# Altium PCB MotorDriverV0.PcbDoc (part 2 of 2)
Units mm, origin at the board's own origin, x right, y up, seen from the top; angles counter-clockwise.
Board outline 152.4 x 101.6 mm, 2 copper layers (Top Layer, Bottom Layer); 201 components, 149 nets, 714 pads, 255 vias.
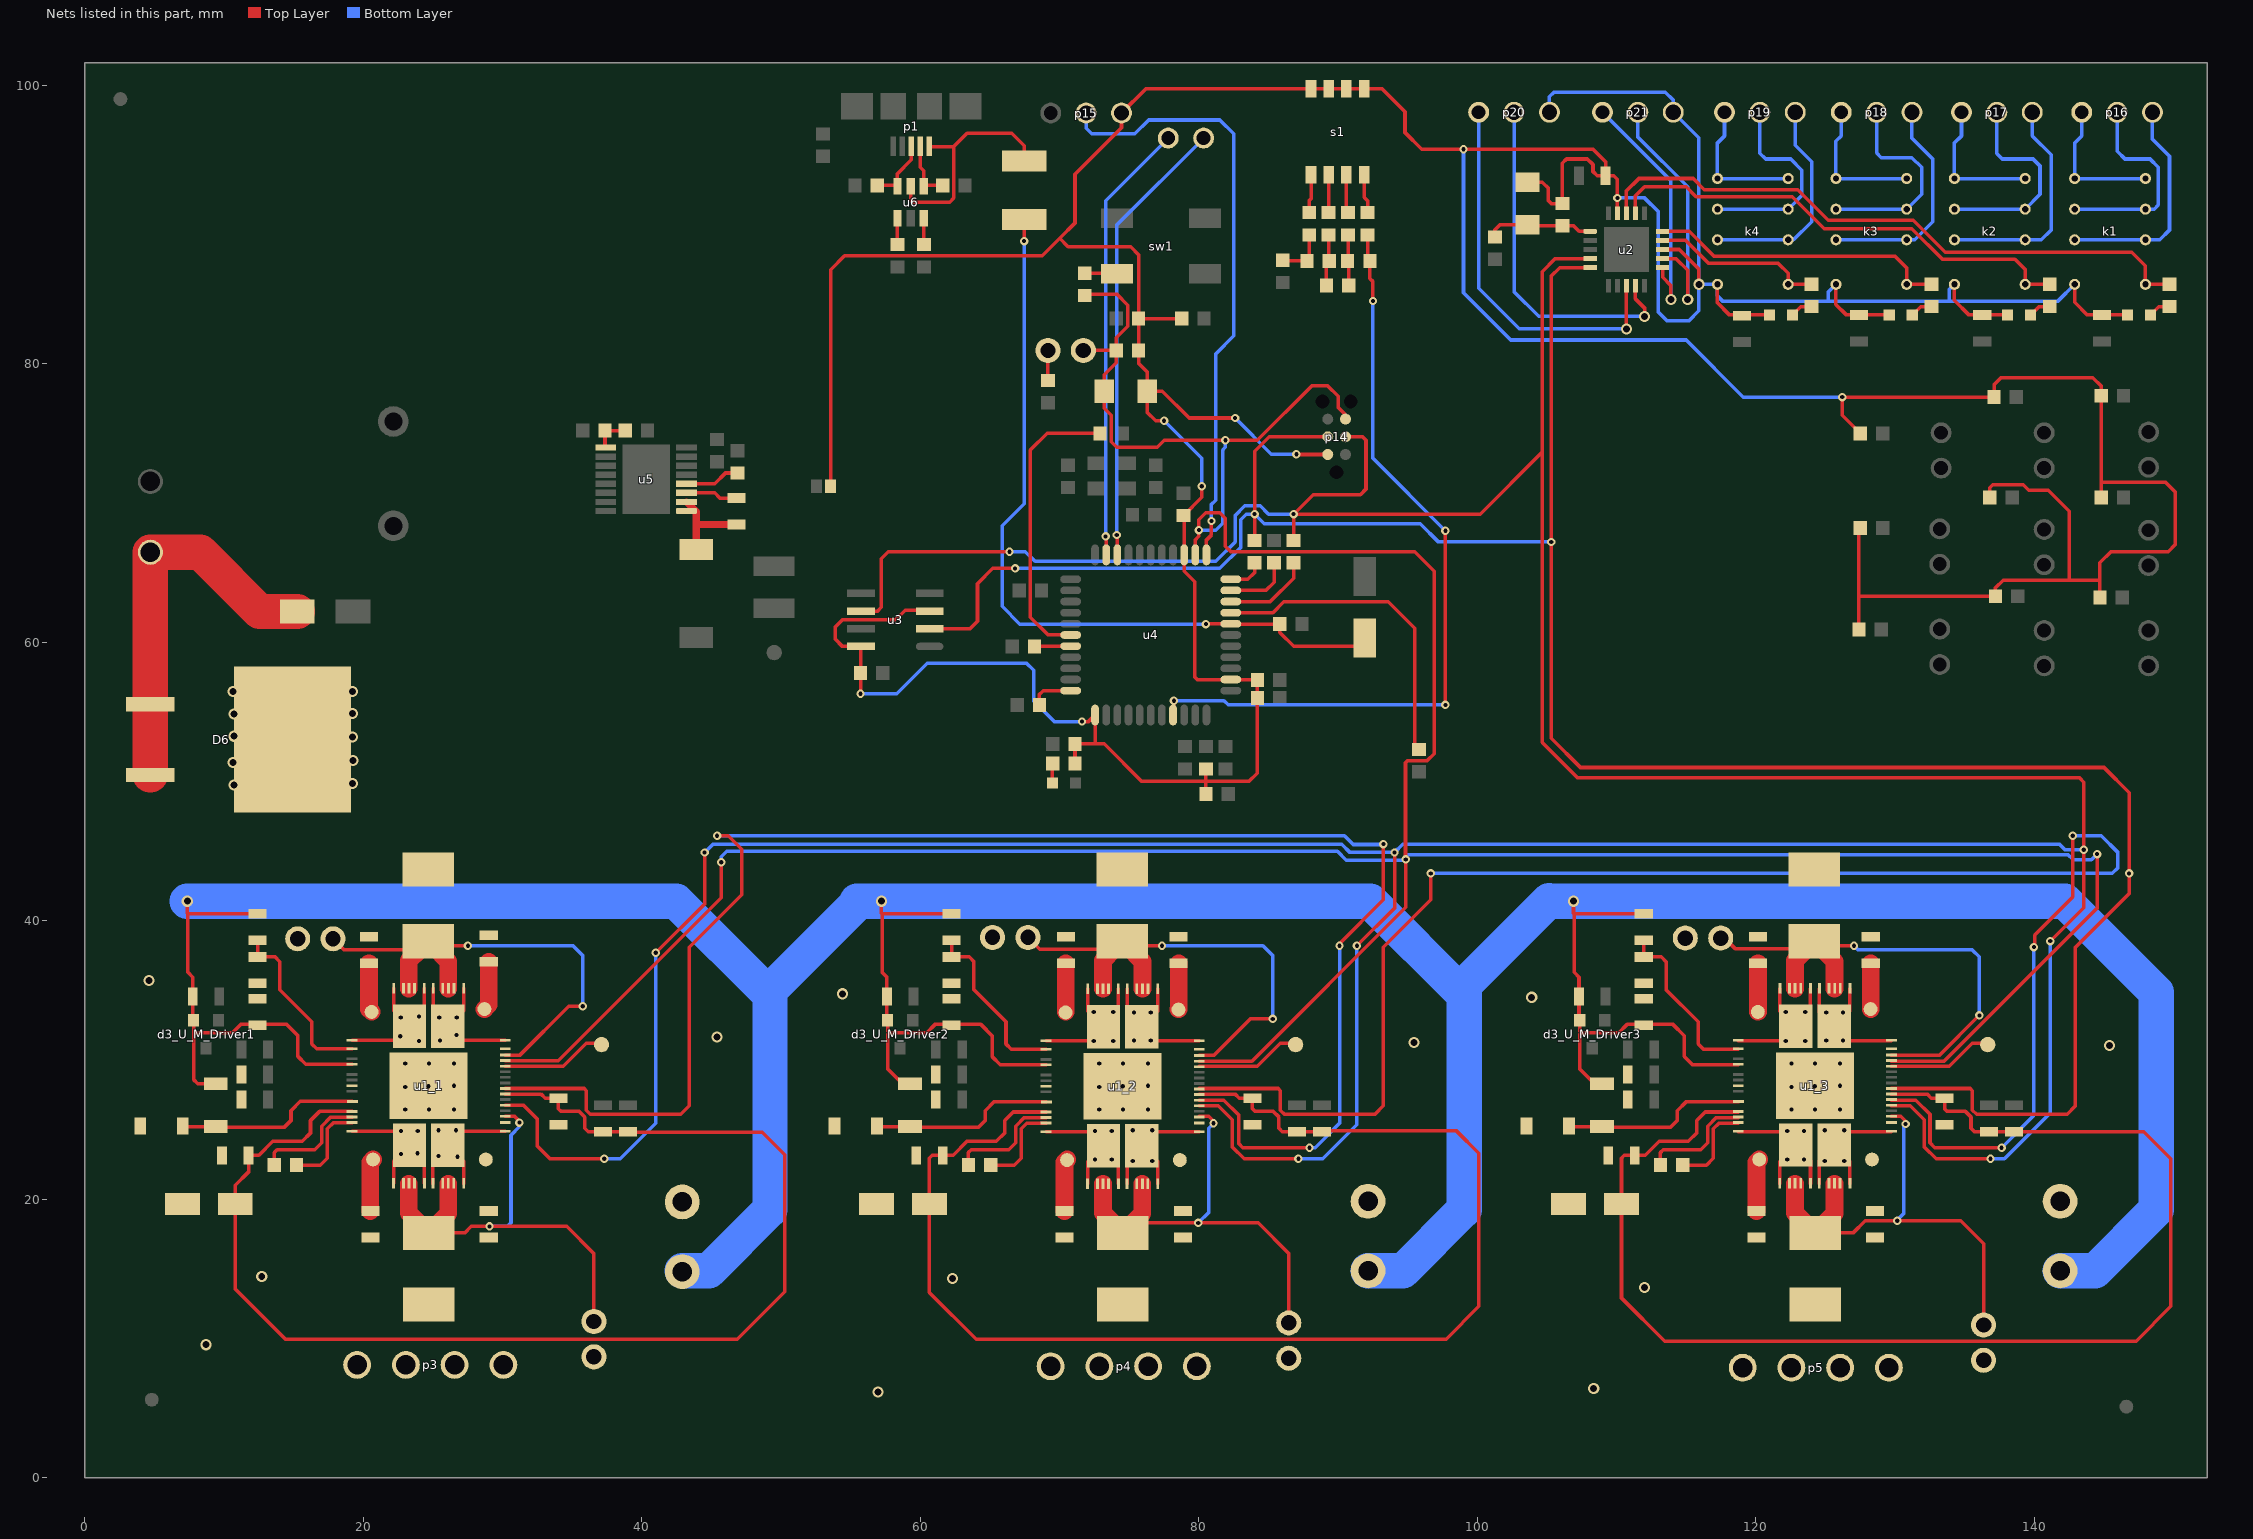
[diagram p2: the nets of this part, all layers, seen from the top]

## Via types
v1: diameter 0.6, hole 0.3, Top Layer to Bottom Layer, 210 vias
v2: diameter 0.8, hole 0.5, Top Layer to Bottom Layer, 28 vias
v3: diameter 0.8, hole 0.3, Top Layer to Bottom Layer, 15 vias
v4: diameter 0.8, hole 0.5, Top Layer to Bottom Layer, tented both sides, 2 vias

## Nets (pads, with @x,y where several pads share a name; then routed paths per layer and width w, separated by ;. In a path a pad name is that pad's centre, name@x,y a point inside that pad or via, vN(x,y) a via of type N, cw(c..) or ccw(c..) an arc to the next point about the centre after c; other vN are vias at no path point) (continued)
Netc20_U_M_Driver1_1: c20_U_M_Driver1.1 u1_1.95 | length 3.6
  Top Layer w1.27: c20_U_M_Driver1.1@20.4,36.95 20.4,33.64 u1_1.95@20.59,33.45
Netc20_U_M_Driver2_1: c20_U_M_Driver2.1 u1_2.95 | length 3.5
  Top Layer w1.27: u1_2.95@70.436,33.45 70.436,36.94 c20_U_M_Driver2.1@70.446,36.95
Netc20_U_M_Driver3_1: c20_U_M_Driver3.1 u1_3.95 | length 3.5
  Top Layer w1.27: u1_3.95@120.136,33.45 120.146,33.46 c20_U_M_Driver3.1@120.146,36.95
Netc21_U_M_Driver1_1: c21_U_M_Driver1.1 u1_1.96 | length 3.8
  Top Layer w1.27: c21_U_M_Driver1.1@20.5,19.15 20.5,22.66 u1_1.96@20.69,22.85
Netc21_U_M_Driver2_1: c21_U_M_Driver2.1 u1_2.96 | length 3.8
  Top Layer w1.27: c21_U_M_Driver2.1@70.346,19.15 70.346,22.66 u1_2.96@70.536,22.85
Netc21_U_M_Driver3_1: c21_U_M_Driver3.1 u1_3.96 | length 3.8
  Top Layer w1.27: c21_U_M_Driver3.1@120.046,19.15 120.046,22.66 u1_3.96@120.236,22.85
Netc22_U_M_Driver1_1: c22_U_M_Driver1.1 u1_1.92 | length 3.5
  Top Layer w1.27: u1_1.92@28.69,33.65 29,33.96 c22_U_M_Driver1.1@29,37.05
Netc22_U_M_Driver2_1: c22_U_M_Driver2.1 u1_2.92 | length 3.3
  Top Layer w1.27: u1_2.92@78.536,33.65 78.546,33.66 c22_U_M_Driver2.1@78.546,36.95
Netc22_U_M_Driver3_1: c22_U_M_Driver3.1 u1_3.92 | length 3.3
  Top Layer w1.27: u1_3.92@128.236,33.65 128.246,33.66 c22_U_M_Driver3.1@128.246,36.95
Netc27_1: c27.1 u5.3 | length 3.8
  Top Layer w0.254: u5.3@43.2,70.725 45.225,70.725 45.6,70.35 c27.1@46.8,70.35
Netc27_2: c27.2 L1.1 u5.1 u5.2 | length 6.6
  Top Layer w0.508: u5.2@43.2,70.075 43.9,69.375 43.9,68.5 ; L1.1@43.9,66.65 43.9,68.5 ; c27.2@46.8,68.45 43.95,68.45 43.9,68.5
Netc28_2: c28.2 u5.4 | length 4
  Top Layer w0.254: u5.4@43.2,71.375 45.225,71.375 46,72.15 c28.2@46.85,72.15
Netc30_1: c30.1 r20.2 u5.9 | length 2.7
  Top Layer w0.254: u5.9@37.4,73.975 37.35,74.025 r20.2@37.35,75.2 c30.1@38.8,75.2
Netc40_2: c40.2 p24.1 | length 2.2
  Top Layer w0.254: c40.2@69.15,78.8 69.15,80.94 p24.1@69.16,80.95
Netc41_2: c41.2 d4.2 r19.1 u2.1 | length 7.7
  Top Layer w0.254: c41.2@101.25,89.1 101.25,89.6 101.613,89.963 d4.2@103.6,89.963 103.663,89.9 r19.1@106.1,89.9 106.9,89.9 107.3,89.5 u2.1@108.1,89.5
Netd2_U_M_Driver1_1: d2_U_M_Driver1.1 r5_U_M_Driver1.2 u1_1.61 | length 13.4
  Top Layer w0.254: d2_U_M_Driver1.1@7.025,25.25 7.062,25.213 r5_U_M_Driver1.2@9.4,25.213 9.463,25.15 14.3,25.15 14.8,25.65 14.8,26.35 15.475,27.025 15.48,27.02 u1_1.61@19.21,27.02
Netd2_U_M_Driver2_1: d2_U_M_Driver2.1 r5_U_M_Driver2.2 u1_2.61 | length 13.4
  Top Layer w0.254: d2_U_M_Driver2.1@56.871,25.25 56.908,25.213 r5_U_M_Driver2.2@59.246,25.213 59.309,25.15 64.146,25.15 64.646,25.65 64.646,26.35 65.278,26.982 u1_2.61@69.049,26.982
Netd2_U_M_Driver3_1: d2_U_M_Driver3.1 r5_U_M_Driver3.2 u1_3.61 | length 13.4
  Top Layer w0.254: d2_U_M_Driver3.1@106.571,25.25 106.608,25.213 r5_U_M_Driver3.2@108.946,25.213 109.009,25.15 113.846,25.15 114.346,25.65 114.346,26.35 114.978,26.982 u1_3.61@118.749,26.982
NetD5_2: D5.2 D6.1 D6.3 p22.1 | length 28.3
  Top Layer w2.54: D6.3@4.693,50.46 D6.1@4.693,55.54 4.7,55.547 p22.1@4.7,66.46 8.29,66.46 12.55,62.2 D5.2@15.25,62.2
Netd8_1: d8.1 r21.1 | length 1.4
  Top Layer w0.254: d8.1@69.475,49.9 69.475,51.275 r21.1@69.5,51.3
Netd9_2: d9.2 r25.1 | length 1.6
  Top Layer w0.254: d9.2@148.325,83.5 148.925,84.1 r25.1@149.7,84.1
Netd10_2: d10.2 r26.1 | length 1.6
  Top Layer w0.254: d10.2@139.725,83.5 140.325,84.1 r26.1@141.1,84.1
Netd11_2: d11.2 r27.1 | length 1.6
  Top Layer w0.254: d11.2@131.225,83.5 131.825,84.1 r27.1@132.6,84.1
Netd12_2: d12.2 r28.1 | length 1.6
  Top Layer w0.254: d12.2@122.625,83.5 123.225,84.1 r28.1@124,84.1
Netf1_1: f1.1 p1.1 u6.5 | length 16.7
  Top Layer w0.254: u6.5@59.3,92.75 59.3,91.75 59.45,91.6 62.1,91.6 62.4,91.9 62.4,95.6 ; p1.1@60.637,95.58 62.38,95.58 62.4,95.6 ; f1.1@67.45,94.55 67.45,95.65 66.55,96.55 63.35,96.55 62.4,95.6
Netk1_2: k1.2 k1.7 p16.3 | length 16.1
  Bottom Layer w0.254: k1.7@142.89,88.897 k1.2@147.97,88.897 148.997,88.897 149.7,89.6 149.7,94.9 148.478,96.122 p16.3@148.478,98.055
Netk1_3: k1.3 k1.6 p16.2 | length 15.1
  Bottom Layer w0.254: k1.6@142.89,91.097 k1.3@147.97,91.097 148.597,91.097 148.9,91.4 148.9,94.1 148.3,94.7 146.5,94.7 145.938,95.262 p16.2@145.938,98.055
Netk1_4: k1.4 k1.5 p16.1 | length 10
  Bottom Layer w0.254: p16.1@143.398,98.055 143.398,96.355 142.89,95.847 k1.5@142.89,93.297 k1.4@147.97,93.297
Netk2_2: k2.2 k2.7 p17.3 | length 16.3
  Bottom Layer w0.254: k2.7@134.254,88.897 k2.2@139.334,88.897 140.497,88.897 141.2,89.6 141.2,94.997 139.842,96.355 p17.3@139.842,98.055
Netk2_3: k2.3 k2.6 p17.2 | length 15.1
  Bottom Layer w0.254: k2.6@134.254,91.097 k2.3@139.334,91.097 140.4,92.163 140.4,94.2 139.9,94.7 137.7,94.7 137.302,95.098 p17.2@137.302,98.055
Netk2_4: k2.4 k2.5 p17.1 | length 10
  Bottom Layer w0.254: p17.1@134.762,98.055 134.762,96.355 134.254,95.847 k2.5@134.254,93.297 k2.4@139.334,93.297
Netk3_2: k3.2 k3.7 p18.3 | length 16
  Bottom Layer w0.254: k3.7@125.745,88.897 k3.2@130.825,88.897 131.397,88.897 132.7,90.2 132.7,94.7 131.206,96.194 p18.3@131.206,98.055
Netk3_3: k3.3 k3.6 p18.2 | length 15.1
  Bottom Layer w0.254: k3.6@125.745,91.097 k3.3@130.825,91.097 131.9,92.172 131.9,94.1 131.2,94.8 129,94.8 128.666,95.134 p18.2@128.666,98.055
Netk3_4: k3.4 k3.5 p18.1 | length 10
  Bottom Layer w0.254: p18.1@126.126,98.055 126.126,96.355 125.745,95.974 k3.5@125.745,93.297 k3.4@130.825,93.297
Netk4_2: k4.2 k4.7 p19.3 | length 15.6
  Bottom Layer w0.254: k4.7@117.236,88.897 k4.2@122.316,88.897 122.697,88.897 124,90.2 124,94.5 122.824,95.676 p19.3@122.824,98.055
Netk4_3: k4.3 k4.6 p19.2 | length 14.7
  Bottom Layer w0.254: k4.6@117.236,91.097 k4.3@122.316,91.097 123.3,92.081 123.3,93.9 122.5,94.7 120.7,94.7 120.284,95.116 p19.2@120.284,98.055
Netk4_4: k4.4 k4.5 p19.1 | length 10.1
  Bottom Layer w0.254: p19.1@117.944,98.055 117.744,97.855 117.744,96.355 117.236,95.847 k4.5@117.236,93.297 k4.4@122.316,93.297
Netp1_2: p1.2 u6.4 vr2.2 | length 4.3
  Top Layer w0.254: p1.2@59.987,95.58 59.987,94.113 60.25,93.85 u6.4@60.25,92.75 60.3,92.8 vr2.2@61.6,92.8
Netp1_3: p1.3 u6.6 vr1.2 | length 4.7
  Top Layer w0.254: vr1.2@56.9,92.8 58.3,92.8 u6.6@58.35,92.75 58.35,93.65 59.337,94.637 p1.3@59.337,95.58
Netp25_U_M_Driver1_1: p25_1.1 r17_U_M_Driver1.2 u1_1.20 u1_1.34 u1_1.35 u1_1.36 u1_1.39 u1_1.40 u1_1.41 | length 36.3
  Top Layer w0.254: p25_1.1@17.82,38.7 18.62,37.9 24.025,37.9 r17_U_M_Driver1.2@24.65,38.525 24.975,38.2 v1(27.5,38.2) ; u1_1.20@30.19,30.35 31.25,30.35 34.75,33.85 v1(35.75,33.85)
  Top Layer w1.27: u1_1.40@23.263,35.112 23.263,37.138 r17_U_M_Driver1.2@24.025,37.9 ; r17_U_M_Driver1.2@24.975,38.2 26.103,37.072 u1_1.35@26.103,35.112
  Bottom Layer w0.254: v1(27.5,38.2) 35.05,38.2 35.75,37.5 v1(35.75,33.85)
Netp25_U_M_Driver2_1: p25_2.1 r17_U_M_Driver2.2 u1_2.20 u1_2.34 u1_2.35 u1_2.36 u1_2.39 u1_2.40 u1_2.41 | length 36.2
  Top Layer w0.254: p25_2.1@67.72,38.8 68.57,37.95 73.921,37.95 r17_U_M_Driver2.2@74.496,38.525 74.821,38.2 v1(77.346,38.2) ; u1_2.20@80.036,30.35 81.1,30.35 83.7,32.95 v1(85.3,32.95)
  Top Layer w1.27: u1_2.40@73.109,35.112 73.109,37.138 r17_U_M_Driver2.2@73.921,37.95 ; r17_U_M_Driver2.2@74.821,38.2 75.949,37.072 u1_2.35@75.949,35.112
  Bottom Layer w0.254: v1(77.346,38.2) 84.6,38.2 85.3,37.5 v1(85.3,32.95)
Netp25_U_M_Driver3_1: p25_3.1 r17_U_M_Driver3.2 u1_3.20 u1_3.34 u1_3.35 u1_3.36 u1_3.39 u1_3.40 u1_3.41 | length 38.1
  Top Layer w0.254: p25_3.1@117.47,38.75 117.75,38.75 118.5,38 123.671,38 r17_U_M_Driver3.2@124.196,38.525 124.521,38.2 v1(127.046,38.2) ; u1_3.20@129.736,30.35 133.196,30.35 v1(136.046,33.2)
  Top Layer w1.27: u1_3.40@122.809,35.112 122.809,37.138 r17_U_M_Driver3.2@123.671,38 ; r17_U_M_Driver3.2@124.521,38.2 125.649,37.072 u1_3.35@125.649,35.112
  Bottom Layer w0.254: v1(127.046,38.2) 127.346,37.9 135.546,37.9 136.046,37.4 v1(136.046,33.2)
Netp26_U_M_Driver1_1: p26_1.1 r18_U_M_Driver1.2 u1_1.9 u1_1.77 u1_1.78 u1_1.79 u1_1.82 u1_1.83 u1_1.84 | length 36.5
  Top Layer w0.254: r18_U_M_Driver1.2@24.7,17.575 27.275,17.575 27.75,18.05 v1(29.05,18.05) 34.6,18.05 36.55,16.1 p26_1.1@36.55,11.22 ; u1_1.9@30.19,25.95 30.85,25.95 31.3,25.5 v1(31.2,25.5)
  Top Layer w1.27: u1_1.78@23.263,21.112 23.263,19.012 r18_U_M_Driver1.2@24.7,17.575 26.093,18.968 u1_1.83@26.093,21.112
  Bottom Layer w0.254: v1(29.05,18.05) 30.35,18.05 30.6,18.3 30.6,24.6 31.2,25.2 v1(31.2,25.5)
Netp26_U_M_Driver2_1: p26_2.1 r18_U_M_Driver2.2 u1_2.9 u1_2.77 u1_2.78 u1_2.79 u1_2.82 u1_2.83 u1_2.84 | length 34.4
  Top Layer w0.254: r18_U_M_Driver2.2@74.546,17.575 75.271,18.3 v1(79.95,18.3) 84.25,18.3 86.45,16.1 p26_2.1@86.45,11.12 ; u1_2.9@80.036,25.95 80.696,25.95 81.196,25.45 v1(81.05,25.45)
  Top Layer w1.27: u1_2.78@73.109,21.112 73.109,19.012 r18_U_M_Driver2.2@74.546,17.575 ; r18_U_M_Driver2.2@75.271,18.3 75.939,18.968 u1_2.83@75.939,21.112
  Bottom Layer w0.254: v1(79.95,18.3) 80.694,19.044 80.694,25.094 v1(81.05,25.45)
Netp26_U_M_Driver3_1: p26_3.1 r18_U_M_Driver3.2 u1_3.9 u1_3.77 u1_3.78 u1_3.79 u1_3.82 u1_3.83 u1_3.84 | length 36
  Top Layer w0.254: r18_U_M_Driver3.2@124.246,17.575 126.975,17.575 127.85,18.45 v1(130.15,18.45) 134.7,18.45 136.35,16.8 p26_3.1@136.35,10.97 ; u1_3.9@129.736,25.95 130.396,25.95 130.946,25.4 v1(130.75,25.4)
  Top Layer w1.27: u1_3.78@122.809,21.112 122.809,19.012 r18_U_M_Driver3.2@124.246,17.575 125.639,18.968 u1_3.83@125.639,21.112
  Bottom Layer w0.254: v1@130.125,18.475 130.6,18.95 130.6,25.25 v1(130.75,25.4)
Netr2_1: r2.1 u6.1 | length 1.9
  Top Layer w0.254: r2.1@58.35,88.55 u6.1@58.35,90.45
Netr3_1: r3.1 u6.3 | length 1.9
  Top Layer w0.254: r3.1@60.25,88.55 u6.3@60.25,90.45
Netr6_U_M_Driver1_1: r6_U_M_Driver1.1 r7_U_M_Driver1.2 u1_1.54 | length 12.8
  Top Layer w0.254: r6_U_M_Driver1.1@12.4,38.6 r7_U_M_Driver1.2@12.4,37.4 13.65,37.4 14,37.05 14,35.05 16.3,32.75 16.3,31.15 16.65,30.8 u1_1.54@19.19,30.8
Netr6_U_M_Driver2_1: r6_U_M_Driver2.1 r7_U_M_Driver2.2 u1_2.54 | length 12.8
  Top Layer w0.254: r6_U_M_Driver2.1@62.246,38.6 r7_U_M_Driver2.2@62.246,37.4 63.496,37.4 63.846,37.05 63.846,35.05 66.146,32.75 66.146,31.15 66.534,30.762 u1_2.54@69.029,30.762
Netr6_U_M_Driver3_1: r6_U_M_Driver3.1 r7_U_M_Driver3.2 u1_3.54 | length 12.8
  Top Layer w0.254: r6_U_M_Driver3.1@111.946,38.6 r7_U_M_Driver3.2@111.946,37.4 113.196,37.4 113.546,37.05 113.546,35.05 115.846,32.75 115.846,31.15 116.234,30.762 u1_3.54@118.729,30.762
Netr8_1: r8.1 r12.1 r13.2 | length 3.7
  Top Layer w0.254: r12.1@86.019,87.422 86.057,87.384 r13.2@87.759,87.384 87.924,87.549 r8.1@87.924,89.251
Netr8_2: r8.2 s1.1 | length 2.8
  Top Layer w0.254: r8.2@87.924,90.851 87.924,91.724 88.051,91.851 s1.1@88.051,93.58
Netr9_1: r9.1 r15.1 u4.41 | length 56.7
  Top Layer w0.254: u4.41@78.142,54.768 78.2,54.826 v1(78.2,55.8) ; r9.1@92.115,89.251 92.115,87.549 r15.1@92.28,87.384 92.28,86.12 92.5,85.9 v1(92.5,84.5) ; v1(97.7,55.5) v1(97.7,68)
  Bottom Layer w0.254: v1(78.2,55.8) 81.8,55.8 82.1,55.5 v1(97.7,55.5) ; v1(92.5,84.5) 92.5,73.2 v1(97.7,68)
Netr9_2: r9.2 s1.4 | length 2.8
  Top Layer w0.254: s1.4@91.861,93.58 91.861,91.939 92.115,91.685 r9.2@92.115,90.851
Netr10_1: r10.1 r13.1 r14.2 | length 3.7
  Top Layer w0.254: r14.2@89.156,85.606 89.156,87.257 89.321,87.422 r10.1@89.321,89.251
Netr10_2: r10.2 s1.2 | length 2.7
  Top Layer w0.254: r10.2@89.321,90.851 s1.2@89.321,93.58
Netr11_1: r11.1 r14.1 r15.2 | length 3.7
  Top Layer w0.254: r11.1@90.718,89.251 90.718,87.422 90.756,87.384 r14.1@90.756,85.606
Netr11_2: r11.2 s1.3 | length 2.8
  Top Layer w0.254: s1.3@90.591,93.58 90.591,90.978 r11.2@90.718,90.851
Netr16_2: r16.2 u4.33 | length 3.2
  Top Layer w0.254: r16.2@68.6,55.5 68.518,55.582 68.518,56.218 68.818,56.518 u4.33@70.792,56.518
Netr24_U_M_Driver1_1: r24_U_M_Driver1.1 u1_1.64 | length 6.5
  Top Layer w0.254: r24_U_M_Driver1.1@15.2,22.45 16.9,22.45 17.4,22.95 17.4,25.05 17.85,25.5 u1_1.64@19.19,25.5
Netr24_U_M_Driver1_2: r24_U_M_Driver1.2 u1_1.63 | length 8.2
  Top Layer w0.254: r24_U_M_Driver1.2@13.6,22.45 13.6,23.35 13.8,23.55 16.5,23.55 17,24.05 17,25.25 17.65,25.9 u1_1.63@19.19,25.9
Netr24_U_M_Driver2_1: r24_U_M_Driver2.1 u1_2.64 | length 6.5
  Top Layer w0.254: r24_U_M_Driver2.1@65.046,22.45 66.746,22.45 67.246,22.95 67.246,25.05 67.646,25.45 69.017,25.45 u1_2.64@69.029,25.462
Netr24_U_M_Driver2_2: r24_U_M_Driver2.2 u1_2.63 | length 8.2
  Top Layer w0.254: r24_U_M_Driver2.2@63.446,22.45 63.446,23.35 63.646,23.55 66.346,23.55 66.846,24.05 66.846,25.25 67.458,25.862 u1_2.63@69.029,25.862
Netr24_U_M_Driver3_1: r24_U_M_Driver3.1 u1_3.64 | length 6.5
  Top Layer w0.254: r24_U_M_Driver3.1@114.746,22.45 116.446,22.45 116.946,22.95 116.946,25.05 117.346,25.45 118.717,25.45 u1_3.64@118.729,25.462
Netr24_U_M_Driver3_2: r24_U_M_Driver3.2 u1_3.63 | length 8.2
  Top Layer w0.254: r24_U_M_Driver3.2@113.146,22.45 113.146,23.35 113.346,23.55 116.046,23.55 116.546,24.05 116.546,25.25 117.158,25.862 u1_3.63@118.729,25.862
Netr33_2: r33.2 u4.29 | length 2.6
  Top Layer w0.254: r33.2@68.2,59.7 68.218,59.718 u4.29@70.792,59.718
Netr34_2: r34.2 u4.10 | length 4.7
  Top Layer w0.254: u4.10@82.292,63.718 84.818,63.718 85.4,64.3 r34.2@85.4,65.7
Netr35_2: r35.2 u4.9 | length 6.3
  Top Layer w0.254: u4.9@82.31,62.9 u4.9@82.292,62.918 85.118,62.918 86.8,64.6 r35.2@86.8,65.7
Netr36_2: r36.2 u4.28 | length 20.9
  Top Layer w0.254: u4.28@70.792,60.518 69.182,60.518 67.9,61.8 67.9,73.8 69.1,75 r36.2@72.9,75
Netr37_2: r37.2 u4.8 | length 23
  Top Layer w0.254: u4.8@82.292,62.118 85.318,62.118 86.1,62.9 93.6,62.9 95.5,61 r37.2@95.5,52.3
Netr38_2: r38.2 u4.11 | length 2.6
  Top Layer w0.254: u4.11@82.292,64.518 83.518,64.518 84,65 r38.2@84,65.7
Netr44_1: r44.1 sw1.2 | length 2.4
  Top Layer w0.254: r44.1@71.8,86.5 74.072,86.5 sw1.2@74.128,86.444
Nettp2_U_M_Driver1_1: tp2_1.1 u1_1.18 | length 7.6
  Top Layer w0.254: u1_1.18@30.19,29.55 34.35,29.55 36,31.2 37,31.2 tp2_1.1@37.1,31.1
Nettp2_U_M_Driver2_1: tp2_2.1 u1_2.18 | length 7.6
  Top Layer w0.254: u1_2.18@80.036,29.55 84.196,29.55 85.846,31.2 86.846,31.2 tp2_2.1@86.946,31.1
Nettp2_U_M_Driver3_1: tp2_3.1 u1_3.18 | length 7.6
  Top Layer w0.254: u1_3.18@129.736,29.55 133.896,29.55 135.546,31.2 136.546,31.2 tp2_3.1@136.646,31.1
OUTA1_1: p3.4 u1_1.38 u1_1.42 u1_1.53 u1_1.94 | length 10.9
  Top Layer w0.254: u1_1.53@19.19,31.42 22.31,31.42 u1_1.94@23.31,32.42 ; u1_1.42@22.18,35.15 22.18,33.55 v1(22.68,33.05) u1_1.94@23.31,32.42 ; u1_1.38@24.37,35.15 24.37,33.48 v1(24,33.11) u1_1.94@23.31,32.42
  other v1: 24,31.35 22.65,31.7
OUTA1_2: p4.4 u1_2.38 u1_2.42 u1_2.53 u1_2.94 | length 10.9
  Top Layer w0.254: u1_2.53@69.029,31.382 72.149,31.382 72.282,31.515 u1_2.94@73.149,32.382 ; u1_2.42@72.019,35.112 72.019,33.512 u1_2.94@73.149,32.382 ; u1_2.38@74.209,35.112 74.209,33.45 74.209,33.442 73.171,32.404 u1_2.94@73.149,32.382
  other v1: 72.446,31.35 73.846,31.35 72.446,33.45 73.846,33.45
OUTA1_3: p5.4 u1_3.38 u1_3.42 u1_3.53 u1_3.94 | length 10.9
  Top Layer w0.254: u1_3.53@118.729,31.382 121.849,31.382 121.982,31.515 u1_3.94@122.849,32.382 ; u1_3.42@121.719,35.112 121.719,33.512 u1_3.94@122.849,32.382 ; u1_3.38@123.909,35.112 123.909,33.45 123.909,33.442 122.871,32.404 u1_3.94@122.849,32.382
  other v1: 122.146,31.35 123.546,31.35 122.146,33.45 123.546,33.45
OUTA2_1: p3.1 u1_1.22 u1_1.33 u1_1.37 u1_1.93 | length 10.9
  Top Layer w0.254: u1_1.37@25.01,35.15 25.01,33.48 v1(25.45,33.04) u1_1.93@26.07,32.42 ; u1_1.33@27.2,35.15 27.2,33.55 u1_1.93@26.07,32.42 ; u1_1.22@30.19,31.42 27.07,31.42 v1(26.69,31.8) u1_1.93@26.07,32.42
  other v1: 25.5,31.4 26.7,33.05
OUTA2_2: p4.1 u1_2.22 u1_2.33 u1_2.37 u1_2.93 | length 10.9
  Top Layer w0.254: u1_2.37@74.849,35.112 74.849,33.442 u1_2.93@75.909,32.382 ; u1_2.33@77.039,35.112 77.039,33.512 u1_2.93@75.909,32.382 ; u1_2.22@80.029,31.382 76.909,31.382 u1_2.93@75.909,32.382
  other v1: 75.346,31.4 76.546,31.4 75.346,33.4 76.546,33.4
OUTA2_3: p5.1 u1_3.22 u1_3.33 u1_3.37 u1_3.93 | length 10.9
  Top Layer w0.254: u1_3.37@124.549,35.112 124.549,33.442 u1_3.93@125.609,32.382 ; u1_3.33@126.739,35.112 126.739,33.512 u1_3.93@125.609,32.382 ; u1_3.22@129.729,31.382 126.609,31.382 u1_3.93@125.609,32.382
  other v1: 125.046,31.4 126.246,31.4 125.046,33.4 126.246,33.4
OUTB1_1: p3.3 u1_1.65 u1_1.76 u1_1.80 u1_1.97 | length 10.9
  Top Layer w0.254: u1_1.65@19.19,24.88 22.31,24.88 u1_1.97@23.31,23.88 ; u1_1.76@22.17,21.15 22.17,22.74 u1_1.97@23.31,23.88 ; u1_1.80@24.38,21.15 24.38,22.81 v1(23.89,23.3) u1_1.97@23.31,23.88
  other v1: 22.7,23.25 22.7,24.9 23.9,24.9
OUTB1_2: p4.3 u1_2.65 u1_2.76 u1_2.80 u1_2.97 | length 10.9
  Top Layer w0.254: u1_2.65@69.029,24.842 72.149,24.842 u1_2.97@73.149,23.842 ; u1_2.76@72.009,21.112 72.009,22.702 u1_2.97@73.149,23.842 ; u1_2.80@74.219,21.112 74.219,22.772 73.943,23.048 u1_2.97@73.149,23.842
  other v1: 72.546,22.85 73.746,22.85 72.546,24.9 73.746,24.9
OUTB1_3: p5.3 u1_3.65 u1_3.76 u1_3.80 u1_3.97 | length 10.9
  Top Layer w0.254: u1_3.65@118.729,24.842 121.849,24.842 u1_3.97@122.849,23.842 ; u1_3.76@121.709,21.112 121.709,22.702 u1_3.97@122.849,23.842 ; u1_3.80@123.919,21.112 123.919,22.772 123.643,23.048 u1_3.97@122.849,23.842
  other v1: 122.246,22.85 123.446,22.85 122.246,24.9 123.446,24.9
OUTB2_1: p3.2 u1_1.7 u1_1.81 u1_1.85 u1_1.98 | length 10.9
  Top Layer w0.254: u1_1.81@24.993,21.112 24.993,22.772 25.361,23.139 u1_1.98@26.063,23.842 ; u1_1.85@27.193,21.112 27.193,22.712 u1_1.98@26.063,23.842 ; u1_1.7@30.19,24.88 27.101,24.88 u1_1.98@26.063,23.842
  other v1: 26.75,23.05 25.4,23.1 25.4,24.95 26.65,24.95
OUTB2_2: p4.2 u1_2.7 u1_2.81 u1_2.85 u1_2.98 | length 10.9
  Top Layer w0.254: u1_2.81@74.839,21.112 74.839,22.772 75.032,22.965 u1_2.98@75.909,23.842 ; u1_2.85@77.039,21.112 77.039,22.712 u1_2.98@75.909,23.842 ; u1_2.7@80.029,24.842 76.909,24.842 u1_2.98@75.909,23.842
  other v1: 75.246,22.75 76.646,22.75 75.246,24.95 76.646,24.95
OUTB2_3: p5.2 u1_3.7 u1_3.81 u1_3.85 u1_3.98 | length 10.9
  Top Layer w0.254: u1_3.81@124.539,21.112 124.539,22.772 124.732,22.965 u1_3.98@125.609,23.842 ; u1_3.85@126.739,21.112 126.739,22.712 u1_3.98@125.609,23.842 ; u1_3.7@129.729,24.842 126.609,24.842 u1_3.98@125.609,23.842
  other v1: 124.946,22.75 126.346,22.75 124.946,24.95 126.346,24.95
PGND: c10_U_M_Driver1.1 c10_U_M_Driver2.1 c10_U_M_Driver3.1 c11_U_M_Driver1.1 c11_U_M_Driver2.1 c11_U_M_Driver3.1 c12_U_M_Driver1.2 c12_U_M_Driver2.2 c12_U_M_Driver3.2 c13_U_M_Driver1.1 c13_U_M_Driver2.1 c13_U_M_Driver3.1 c15_U_M_Driver1.1 c15_U_M_Driver2.1 c15_U_M_Driver3.1 c17_U_M_Driver1.1 c17_U_M_Driver2.1 c17_U_M_Driver3.1 c19_U_M_Driver1.1 c19_U_M_Driver2.1 c19_U_M_Driver3.1 c20_U_M_Driver1.2 c20_U_M_Driver2.2 c20_U_M_Driver3.2 c21_U_M_Driver1.2 c21_U_M_Driver2.2 c21_U_M_Driver3.2 c22_U_M_Driver1.2 c22_U_M_Driver2.2 c22_U_M_Driver3.2 c23_U_M_Driver1.2 c23_U_M_Driver2.2 c23_U_M_Driver3.2 d2_U_M_Driver1.2 d2_U_M_Driver2.2 d2_U_M_Driver3.2 p25_1.2 p25_2.2 p25_3.2 p26_1.2 p26_2.2 p26_3.2 r7_U_M_Driver1.1 r7_U_M_Driver2.1 r7_U_M_Driver3.1 r17_U_M_Driver1.1 r17_U_M_Driver2.1 r17_U_M_Driver3.1 r18_U_M_Driver1.1 r18_U_M_Driver2.1 r18_U_M_Driver3.1 u1_1.8 u1_1.21 u1_1.59 u1_1.99 u1_2.8 u1_2.21 u1_2.59 u1_2.99 u1_3.8 u1_3.21 u1_3.59 u1_3.99
  other v1: 23,26.45 24.7,26.45 26.5,26.45 72.846,26.45 74.546,26.45 76.346,26.45 122.546,26.45 124.246,26.45 126.046,26.45 23,28.05 72.846,28.05 122.546,28.05 24.683,28.112 74.529,28.112 124.229,28.112 26.5,28.15 76.346,28.15 126.046,28.15 23,29.75 24.7,29.75 26.5,29.75 72.846,29.75 74.546,29.75 76.346,29.75 122.546,29.75 124.246,29.75 126.046,29.75
  other v2: 56.95,6.15 108.35,6.4 8.7,9.55 112,13.65 62.3,14.3 12.7,14.45 145.4,31.05 95.45,31.25 45.4,31.65 103.9,34.5 54.4,34.75 4.6,35.7
PWM: p15.2 u4.12 | length 43.7
  Top Layer w0.254: u4.12@80.542,66.268 80.542,67.342 80.9,67.7 v1(80.9,68.7)
  Bottom Layer w0.254: p15.2@71.9,98 71.9,96.9 72.3,96.5 75.4,96.5 76.4,97.5 81.5,97.5 82.5,96.5 82.5,82 81.2,80.7 81.2,70.2 80.9,69.9 v1(80.9,68.7)
R\E\S\E\T\: d1.2 p14.5 p24.2 r1.1 r44.2 u1_1.19 u1_2.19 u1_3.19 u4.13 | length 259.1
  Top Layer w0.254: u1_1.19@30.19,29.95 34,29.95 45.7,41.65 v1(45.7,44.2) ; p24.2@71.7,80.95 r1.1@74.065,80.951 r1.1@74.065,80.951 ; r44.2@71.8,84.9 71.872,84.972 74.128,84.972 74.9,84.2 74.9,82.7 74.065,81.865 r1.1@74.065,80.951 ; u4.13@79.742,66.268 79.742,67.342 80,67.6 v1(80,68.05) 80,68.8 80.5,69.3 81.5,69.3 81.9,68.9 81.9,66.9 82.3,66.5 95.5,66.5 96.9,65.1 96.9,52 96.4,51.5 95,51.5 94.835,51.335 94.835,44.415 v1(94.85,44.4) 94.85,40.954 83.808,29.912 u1_2.19@80.029,29.912 ; 89.998,77.652 89.25,78.4 88.1,78.4 84.2,74.5 v1(81.9,74.5) 77.5,74.5 77,74 74.1,74 73.7,74.4 73.7,76.3 73.201,76.799 d1.2@73.201,78.03 73.201,79.201 74.065,80.065 r1.1@74.065,80.951 ; 90,77.652 90,76.85 90.525,76.325 p14.5@90.525,76.019 ; u1_3.19@129.729,29.912 133.508,29.912 144.503,40.907 v1(144.503,44.778)
  Bottom Layer w0.254: v1(45.7,44.2) 45.7,44.6 46.092,44.992 89.95,44.992 90.592,44.35 94.8,44.35 v1(94.85,44.4) 94.85,44.604 94.996,44.75 142.4,44.75 142.777,44.373 144.097,44.373 v1(144.503,44.778) ; v1(80,68.05) 81.2,68.05 81.7,68.55 81.7,73.8 81.9,74 v1(81.9,74.5)
Relay_COM: b1.2 c1.1 c2.1 c3.1 c24.1 c25.1 c26.1 c33.2 c34.1 c35.1 c36.2 c37.2 c38.2 c39.2 d1.1 d4.1 d9.1 d10.1 d11.1 d12.1 fb2.1 k1.8 k2.8 k3.8 k4.8 p14.2 p15.3 p20.3 p21.3 r1.2 r19.2 r21.2 r29.2 r30.2 r31.2 r32.2 r39.2 r40.2 r41.2 r42.2 r43.2 s1.5 s1.6 s1.7 s1.8 u2.13 u2.19 u3.3 u3.8 u4.2 u4.14 u4.34 | length 445.1
  Top Layer w0.254: b1.2@53.55,71.2 53.55,86.75 54.55,87.75 68.75,87.75 70,89 ; v1(55.7,56.3) c33.2@55.7,57.8 55.7,59.66 u3.8@55.735,59.695 54.405,59.695 53.9,60.2 53.9,61.1 54.4,61.6 58.2,61.6 58.9,62.3 60.6,62.3 u3.3@60.665,62.235 ; r21.2@71.1,51.3 c26.1@71.1,52.7 72.542,52.7 ; v1(71.6,54.3) 72.074,54.3 u4.34@72.542,54.768 72.542,52.7 ; v1(77.5,75.9) 76.9,75.9 76.275,76.525 d1.1@76.275,78.03 ; c1.1@78.764,83.237 c2.1@75.665,83.237 ; c25.1@78.8,69.1 78.942,68.958 u4.14@78.942,66.268 78.942,65.091 79.7,64.333 79.7,57.5 79.882,57.318 u4.2@82.292,57.318 84.182,57.318 84.182,50.6 83.582,50 80.5,50 ; c25.1@78.9,69.1 80.2,70.4 v1(80.2,71.2) ; c35.1@80.5,49.35 80.5,50 ; fb2.1@80.5,50.9 80.5,50 ; v1(82.6,76.1) 79.3,76.1 77.37,78.03 d1.1@76.275,78.03 ; v1(87,73.5) 87.021,73.479 p14.2@89.255,73.479 ; d4.1@103.6,93.037 104.663,93.037 105.1,92.6 105.1,91.7 105.3,91.5 r19.2@106.1,91.5 106.1,94.4 106.4,94.7 107.9,94.7 108.3,94.3 108.3,93.8 108.6,93.5 c24.1@109.2,93.5 ; u2.19@110.05,90.8 v1(110.05,91.9) 110.05,93.25 109.8,93.5 c24.1@109.2,93.5 ; u2.13@113.3,88.2 114.5,88.2 115.9,86.8 v2(115.9,85.7) ; k4.8@117.236,85.697 117.236,84.364 118.1,83.5 d12.1@120.975,83.5 ; k3.8@125.745,85.697 125.745,84.255 126.5,83.5 d11.1@129.575,83.5 ; r39.2@127.4,60.9 127.4,63.251 ; r29.2@127.5,68.2 127.4,68.1 127.4,63.251 ; r41.2@127.5,75 126.2,76.3 v1(126.2,77.6) r42.2@137.1,77.6 137.1,78.5 137.6,79 144.2,79 144.8,78.4 r43.2@144.8,77.7 144.8,71.5 ; k2.8@134.254,85.697 134.254,84.546 135.3,83.5 c37.2@136.25,83.5 d10.1@138.075,83.5 ; r31.2@136.8,70.4 136.8,71.1 137,71.3 139.2,71.3 139.6,70.9 141,70.9 142.5,69.4 142.5,64.45 ; k1.8@142.89,85.697 142.89,84.41 143.8,83.5 c36.2@144.85,83.5 d9.1@146.675,83.5 ; r32.2@144.7,63.2 144.7,64.45 ; r40.2@144.8,70.4 144.8,71.5 ; 70,89 70.6,88.4 75.1,88.4 75.665,87.835 c2.1@75.665,83.237 ; 70,89 71.1,90.1 71.1,93.6 74.44,96.94 p15.3@74.44,98 76.17,99.73 s1.8@88.051,99.73 s1.7@89.321,99.73 s1.6@90.591,99.73 s1.5@91.861,99.73 93.17,99.73 94.8,98.1 94.8,96.6 96,95.4 v1(99,95.4) 108.3,95.4 109.2,94.5 c24.1@109.2,93.5 ; 72.542,52.7 73.2,52.7 75.9,50 80.5,50 ; c2.1@75.665,83.237 r1.2@75.665,80.951 75.665,80.035 76.275,79.425 d1.1@76.275,78.03 ; 127.4,63.251 127.449,63.3 r30.2@137.2,63.3 137.2,63.9 137.75,64.45 142.5,64.45 ; 142.5,64.45 144.7,64.45 ; 144.7,64.45 144.7,65.7 145.5,66.5 149.6,66.5 150.1,67 150.1,70.8 149.4,71.5 144.8,71.5
  Bottom Layer w0.254: v1(55.7,56.3) 58.3,56.3 60.5,58.5 67.618,58.5 68.129,57.989 68.129,55.771 69.6,54.3 v1(71.6,54.3) ; v1(77.5,75.9) 80.2,73.2 v1(80.2,71.2) ; v1(82.6,76.1) 85.2,73.5 v1(87,73.5) ; v1(99,95.4) 99,85.1 102.4,81.7 115,81.7 119.1,77.6 v1(126.2,77.6) ; p20.3@105.171,98.055 105.171,99.171 105.5,99.5 113.5,99.5 114.061,98.939 p21.3@114.061,98.055 115.9,96.216 v2(115.9,85.7) ; v1(110.05,91.9) 112,91.9 113,90.9 113,83.7 113.6,83.1 115.2,83.1 115.9,83.8 v2(115.9,85.7) ; k3.8@125.745,85.697 125.2,85.152 125.2,84.5 ; k2.8@134.254,85.697 133.9,85.343 133.9,84.5 ; k1.8@142.89,85.697 141.693,84.5 133.9,84.5 ; v2(115.9,85.7) 117.233,85.7 k4.8@117.236,85.697 117.236,84.864 117.6,84.5 125.2,84.5 ; 125.2,84.5 133.9,84.5
Relay_OUT1: k1.1 r25.2 u2.18 | length 44.9
  Top Layer w0.254: u2.18@110.7,90.8 110.7,92.4 111.6,93.3 115.5,93.3 116.3,92.5 123,92.5 125.2,90.3 131.3,90.3 133.6,88 147,88 147.97,87.03 k1.1@147.97,85.697 149.697,85.697 r25.2@149.7,85.7
Relay_OUT2: k2.1 r26.2 u2.17 | length 34.8
  Top Layer w0.254: u2.17@111.35,90.8 111.35,92.05 112,92.7 115,92.7 115.7,92 122.6,92 124.9,89.7 131.2,89.7 133.4,87.5 138.6,87.5 139.334,86.766 k2.1@139.334,85.697 141.097,85.697 r26.2@141.1,85.7
Relay_OUT3: k3.1 r27.2 u2.15 | length 21.6
  Top Layer w0.254: u2.15@113.3,89.5 115.2,89.5 117,87.7 130,87.7 130.825,86.875 k3.1@130.825,85.697 132.597,85.697 r27.2@132.6,85.7
Relay_OUT4: k4.1 r28.2 u2.14 | length 12.5
  Top Layer w0.254: u2.14@113.3,88.85 114.95,88.85 116.6,87.2 121.6,87.2 122.316,86.484 k4.1@122.316,85.697 122.319,85.7 r28.2@124,85.7
Relay_OUT5: p21.2 u2.12 | length 19.2
  Top Layer w0.254: u2.12@113.3,87.55 114.25,87.55 115.1,86.7 v2(115.1,84.6)
  Bottom Layer w0.254: p21.2@111.521,98.055 111.521,96.279 115.1,92.7 v2(115.1,84.6)
Relay_OUT6: p21.1 u2.11 | length 18
  Top Layer w0.254: u2.11@113.3,86.9 113.3,86.2 113.9,85.6 v2(113.9,84.6)
  Bottom Layer w0.254: p21.1@108.981,98.055 113.9,93.136 v2(113.9,84.6)
Relay_OUT7: p20.2 u2.9 | length 25.5
  Top Layer w0.254: u2.9@111.35,85.6 111.35,84.65 112,84 v2(112,83.4)
  Bottom Layer w0.254: p20.2@102.631,98.055 102.631,85.169 104.4,83.4 v2(112,83.4)
Relay_OUT8: p20.1 u2.8 | length 27.6
  Top Layer w0.254: v2(110.7,82.5) u2.8@110.7,85.6
  Bottom Layer w0.254: p20.1@100.091,98.055 100.091,85.409 103,82.5 v2(110.7,82.5)
RX: p23.2 u4.20 | length 32.5
  Top Layer w0.254: v1(74.1,67.7) 74.142,67.658 u4.20@74.142,66.268
  Bottom Layer w0.254: v1(74.1,67.7) 74.1,89.96 p23.2@80.34,96.2
SCK: p14.3 r35.1 u1_1.11 u1_2.11 u1_3.11 u2.4 u3.6 | length 359.9
  Top Layer w0.254: u1_1.11@30.19,26.75 31.5,26.75 32.5,25.75 32.5,23.8 33.4,22.9 v1(37.3,22.9) ; v1(41,37.7) 44.5,41.2 v1(44.5,44.9) ; u3.6@55.735,62.235 56.935,62.235 57.2,62.5 57.2,66 57.7,66.5 v1(66.4,66.5) ; u1_2.11@80.029,26.712 81.384,26.712 82.4,25.696 82.4,23.746 83.246,22.9 v1(87.146,22.9) ; r35.1@86.8,67.3 v1(86.8,69.2) ; p14.3@90.525,74.749 91.751,74.749 92,74.5 92,71 91.6,70.6 88.2,70.6 v1(86.8,69.2) ; v1(91.346,38.2) 94.05,40.904 v1(94.05,44.9) ; 104.6,73.6 100.2,69.2 v1(86.8,69.2) ; u2.4@108.1,87.55 105.6,87.55 104.65,86.6 104.65,52.8 107.2,50.25 143.25,50.25 143.546,49.954 v1(143.546,45.1) 143.546,40.938 v1(141.139,38.531) ; u1_3.11@129.729,26.712 131.084,26.712 132.1,25.696 132.1,23.746 132.946,22.9 v1(136.846,22.9)
  Bottom Layer w0.254: v1(37.3,22.9) 38.45,22.9 41,25.45 v1(41,37.7) ; v1(44.5,44.9) 45.1,45.5 90.25,45.5 90.85,44.9 v1(94.05,44.9) 94.65,45.5 141.8,45.5 142.194,45.106 143.54,45.106 v1(143.546,45.1) ; v1(66.4,66.5) 67.53,66.5 68.23,65.8 81.2,65.8 82.6,67.2 82.6,69.1 83.3,69.8 84.4,69.8 85,69.2 v1(86.8,69.2) ; v1(87.146,22.9) 88.9,22.9 91.346,25.346 v1(91.346,38.2) ; v1(136.846,22.9) 137.846,22.9 141.139,26.193 v1(141.139,38.531)
SDO1: u1_1.14 u1_2.12 | length 120.1
  Top Layer w0.254: u1_1.14@30.19,27.95 35.85,27.95 36,27.8 36,26.4 36.3,26.1 42.8,26.1 43.4,26.7 43.4,38.1 47.165,41.865 47.165,45.135 46.2,46.1 v1(45.4,46.1) ; u1_2.12@80.029,27.112 81.784,27.112 82.85,26.046 82.85,23.996 83.146,23.7 v1(87.946,23.7) ; v1(90.1,38.2) 90.1,38.354 93.25,41.504 v1(93.25,45.5)
  Bottom Layer w0.254: v1(45.4,46.1) 90.45,46.1 91.079,45.471 93.221,45.471 v1(93.25,45.5) ; v1(87.946,23.7) 88.35,23.7 90.1,25.45 v1(90.1,38.2)
SDO2: u1_2.14 u1_3.12 | length 122.7
  Top Layer w0.254: u1_2.14@80.036,27.95 85.696,27.95 85.846,27.8 85.846,26.4 86.146,26.1 92.646,26.1 93.246,26.7 93.246,38.1 96.65,41.504 v1(96.65,43.4) ; u1_3.12@129.729,27.112 131.484,27.112 132.5,26.096 132.5,24.046 132.846,23.7 v1(137.646,23.7) ; v1(139.96,38.1) 139.854,38.1 140.014,38.26 140.014,38.968 142.75,41.704 v1(142.75,46.1)
  Bottom Layer w0.254: v1(96.65,43.4) 145.6,43.4 146,43.8 146,44.9 144.8,46.1 v1(142.75,46.1) ; v1(137.646,23.7) 139.96,26.014 v1(139.96,38.1)
SDO3: p14.4 r38.1 u1_3.14 u2.5 u3.2 | length 182.2
  Top Layer w0.254: u3.2@60.665,60.965 63.565,60.965 64.1,61.5 64.1,64.2 65.2,65.3 v1(66.8,65.3) ; r38.1@84,67.3 v1(84,69.2) 84,73.7 85.049,74.749 p14.4@89.255,74.749 ; u2.5@108.1,86.9 105.9,86.9 105.3,86.3 v1(105.3,67.2) 105.3,53.1 107.4,51 145,51 146.8,49.2 v1(146.8,43.4) 146.8,41.954 142.946,38.1 142.946,26.7 142.346,26.1 135.846,26.1 135.546,26.4 135.546,27.8 135.396,27.95 u1_3.14@129.736,27.95
  Bottom Layer w0.254: v1(66.8,65.3) 81.5,65.3 83,66.8 83,68.8 83.4,69.2 v1(84,69.2) 84.7,68.5 95.9,68.5 97.2,67.2 v1(105.3,67.2)
SW: 
TX: p23.1 u4.21 | length 31.8
  Top Layer w0.254: v1(73.3,67.6) 73.342,67.558 u4.21@73.342,66.268
  Bottom Layer w0.254: v1(73.3,67.6) 73.3,91.7 p23.1@77.8,96.2
Vin: 
VREG_U_M_Driver1: c10_U_M_Driver1.2 c11_U_M_Driver1.2 c12_U_M_Driver1.1 r22_U_M_Driver1.1 r23_U_M_Driver1.1 u1_1.13 u1_1.62 | length 94.2
  Top Layer w0.254: u1_1.62@19.19,26.3 16.85,26.3 16.2,25.65 16.2,24.75 15.6,24.15 13.5,24.15 12.5,23.15 c11_U_M_Driver1.2@11.75,23.15 11.75,21.95 10.8,21 c10_U_M_Driver1.2@10.8,19.65 10.8,13.55 14.4,9.95 46.85,9.95 50.25,13.35 50.25,23.2 48.65,24.8 39.05,24.8 r23_U_M_Driver1.1@39,24.85 r22_U_M_Driver1.1@37.2,24.85 36.15,24.85 35.9,25.1 35.9,25.9 35.5,26.3 34.2,26.3 34,26.5 c12_U_M_Driver1.1@34,27.25 33.05,27.25 32.75,27.55 u1_1.13@30.19,27.55
VREG_U_M_Driver2: c10_U_M_Driver2.2 c11_U_M_Driver2.2 c12_U_M_Driver2.1 r22_U_M_Driver2.1 r23_U_M_Driver2.1 u1_2.13 u1_2.62 | length 95.5
  Top Layer w0.254: u1_2.62@69.029,26.262 66.658,26.262 66.046,25.65 66.046,24.75 65.446,24.15 63.346,24.15 62.346,23.15 60.846,23.15 60.646,22.95 c10_U_M_Driver2.2@60.646,19.65 60.646,13.304 64,9.95 97.75,9.95 100.1,12.3 100.1,23.3 98.5,24.9 88.896,24.9 r23_U_M_Driver2.1@88.846,24.85 85.996,24.85 85.746,25.1 85.746,25.9 85.346,26.3 84.046,26.3 83.846,26.5 c12_U_M_Driver2.1@83.846,27.25 82.896,27.25 82.596,27.55 u1_2.13@80.036,27.55
VREG_U_M_Driver3: c10_U_M_Driver3.2 c11_U_M_Driver3.2 c12_U_M_Driver3.1 r22_U_M_Driver3.1 r23_U_M_Driver3.1 u1_3.13 u1_3.62 | length 95.6
  Top Layer w0.254: u1_3.62@118.729,26.262 116.358,26.262 115.746,25.65 115.746,24.75 115.146,24.15 113.046,24.15 112.046,23.15 110.546,23.15 110.346,22.95 c10_U_M_Driver3.2@110.346,19.65 110.346,12.904 113.45,9.8 147.3,9.8 149.8,12.3 149.8,22.9 147.85,24.85 r23_U_M_Driver3.1@138.546,24.85 135.696,24.85 135.446,25.1 135.446,25.9 135.046,26.3 133.746,26.3 133.546,26.5 c12_U_M_Driver3.1@133.546,27.25 132.596,27.25 132.296,27.55 u1_3.13@129.736,27.55
VS: c16_U_M_Driver1.1 c16_U_M_Driver2.1 c16_U_M_Driver3.1 c17_U_M_Driver1.2 c17_U_M_Driver2.2 c17_U_M_Driver3.2 c19_U_M_Driver1.2 c19_U_M_Driver2.2 c19_U_M_Driver3.2 c23_U_M_Driver1.1 c23_U_M_Driver2.1 c23_U_M_Driver3.1 d3_U_M_Driver1.3 d3_U_M_Driver2.3 d3_U_M_Driver3.3 D6.4 r5_U_M_Driver1.1 r5_U_M_Driver2.1 r5_U_M_Driver3.1 r6_U_M_Driver1.2 r6_U_M_Driver2.2 r6_U_M_Driver3.2 u1_1.56 u1_1.91 u1_2.56 u1_2.91 u1_3.56 u1_3.91 | length 325.8
  Top Layer w0.254: v2(7.354,41.4) 7.354,40.546 7.4,40.5 ; r5_U_M_Driver1.1@9.4,28.287 8.113,28.287 7.8,28.6 7.8,31.95 ; r6_U_M_Driver1.2@12.4,40.5 7.4,40.5 ; u1_1.56@19.19,29.69 19.18,29.7 15.85,29.7 15.3,30.25 15.3,31.75 14.5,32.55 11.2,32.55 10.6,31.95 7.8,31.95 ; v4(57.2,41.4) 57.2,40.546 57.246,40.5 ; r5_U_M_Driver2.1@59.246,28.287 58.709,28.287 57.646,29.35 57.646,31.85 57.746,31.95 ; r6_U_M_Driver2.2@62.246,40.5 57.246,40.5 ; u1_2.56@69.029,29.652 65.744,29.652 65.146,30.25 65.146,31.75 64.346,32.55 61.046,32.55 60.446,31.95 57.746,31.95 ; v4(106.9,41.4) 106.9,40.546 106.946,40.5 ; r5_U_M_Driver3.1@108.946,28.287 108.409,28.287 107.346,29.35 107.346,31.85 107.446,31.95 ; r6_U_M_Driver3.2@111.946,40.5 106.946,40.5 ; u1_3.56@118.729,29.652 115.444,29.652 114.846,30.25 114.846,31.75 114.046,32.55 110.746,32.55 110.146,31.95 107.446,31.95 ; 7.4,40.5 7.4,36.3 7.75,35.95 c16_U_M_Driver1.1@7.75,34.55 7.75,32.9 d3_U_M_Driver1.3@7.8,32.85 7.8,31.95 ; 57.246,40.5 57.246,36.3 57.596,35.95 57.596,32.9 d3_U_M_Driver2.3@57.646,32.85 57.646,32.05 57.746,31.95 ; 106.946,40.5 106.946,36.3 107.296,35.95 107.296,32.9 d3_U_M_Driver3.3@107.346,32.85 107.346,32.05 107.446,31.95
  Bottom Layer w2.54: v2(7.354,41.4) 42.454,41.4 49.2,34.654 49.2,19.25 44.8,14.85 c17_U_M_Driver1.2@42.9,14.85 ; 49.45,35.25 55.4,41.2 ; 55.446,41.4 v4(57.2,41.4) 92.3,41.4 99.046,34.654 99.046,19.25 94.646,14.85 c17_U_M_Driver2.2@92.146,14.85 ; 98.996,35.3 105.146,41.45 ; 105.146,41.4 v4(106.9,41.4) 142.2,41.4 148.746,34.854 148.746,19.25 144.346,14.85 c17_U_M_Driver3.2@141.846,14.85
  other v2: 10.7,49.75 19.2,49.85 10.65,51.35 19.25,51.5 19.206,53.2 10.7,53.25 10.7,54.85 19.206,54.89 10.65,56.45 19.206,56.458
VUSB: c8.2 c9.1 f1.2 u4.7 | length 56
  Top Layer w0.254: v1(67.45,88.8) f1.2@67.45,90.35 ; v1(80.5,61.3) 80.518,61.318 u4.7@82.292,61.318 82.31,61.3 c9.1@85.8,61.3 85.8,60.7 86.8,59.7 c8.2@91.9,59.7
  Bottom Layer w0.254: v1(67.45,88.8) 67.45,69.95 65.871,68.371 65.871,62.571 67.143,61.3 v1(80.5,61.3)
pads on no net: f2.0 f3.0 f4.0 p1.4 p14.7 p14.8 p14.9 sw1.1 u1_1.17 u1_2.17 u1_3.17 u2.6 u2.20 u4.1 u4.6 u4.39 u4.40 u5.7 u5.8 u5.11

## Polygon pours and split planes (outlines as drawn)
GND on Top Layer "Top Layer-No Net" (solid, pour order 62): 0,101.6 152.4,101.6 152.4,48 152.35,48.05 0,48.05
Netc18_2 on Top Layer "Top Layer-No Net" (solid, pour order 60): 17.65,72.3 35.7,72.3 38.3,72.3 38.3,70.35 27.05,70.35 21.5,64.8 21.5,60.95 17.65,60.95
VS on Top Layer "PS" (solid, pour order 4): 29.863,24.302 29.863,21.422 29.873,21.412 27.673,21.412 27.673,18.677 27.7,18.65 30.8,18.65 37.05,12.4 44.1,12.4 44.1,16.75 43.3,17.55 39.5,17.55 34.2,22.85 32.2,22.85 30.748,24.302
VS on Top Layer "PS" (solid, pour order 36): 79.709,24.302 79.709,21.422 79.719,21.412 77.519,21.412 77.519,18.677 77.546,18.65 80.646,18.65 86.796,12.5 93.9,12.5 93.9,16.796 93.146,17.55 89.346,17.55 84.046,22.85 82.046,22.85 80.594,24.302
VS on Top Layer "PS" (solid, pour order 38): 129.409,24.302 129.409,21.422 129.419,21.412 127.219,21.412 127.219,18.677 127.246,18.65 130.346,18.65 135.996,13 143.6,13 143.6,16.796 142.846,17.55 139.046,17.55 133.746,22.85 131.746,22.85 130.294,24.302
PGND on Top Layer "Top Layer-No Net" (solid, pour order 42): 0,0 0,47.5 152.4,47.5 152.4,0
PGND on Bottom Layer "Top Layer-No Net" (solid, pour order 58): 152.4,0 0,0 0,47.5 0.25,47.75 152.4,47.75
GND on Bottom Layer "Top Layer-No Net" (solid, pour order 56): 0,48 0,101.6 152.4,101.6 152.4,48
VS on Bottom Layer "Top Layer-No Net" (solid, pour order 54): 9.6,58.8 20.05,58.8 20.05,44.85 22.2,42.7 22.2,40.15 9.6,40.15
OUTA1_1 on Bottom Layer "Top Layer-No Net" (solid, pour order 8): 15.5,6.5 14.5,7.5 14.5,37.4 21.5,37.4 24.6,34.2 24.6,30.7 21.9,30.7 21.7,30.9 21.7,33.9 19,33.9 18,32.9 18,13.4 20.8,10.6 20.8,6.5
OUTA2_1 on Bottom Layer "Top Layer-No Net" (solid, pour order 12): 33.974,6.474 34.979,7.479 34.979,37.374 27.979,37.374 24.8,34.195 24.8,30.7 27.605,30.7 27.779,30.874 27.779,33.874 30.479,33.874 31.479,32.874 31.479,13.779 28.7,11 28.7,6.474
OUTB1_1 on Bottom Layer "Top Layer-No Net" (solid, pour order 16): 24.5,6.5 21.5,6.5 21.5,12.4 21.5,25.5 24.6,25.5 24.6,21.5 24.5,21.4
OUTB2_1 on Bottom Layer "Top Layer-No Net" (solid, pour order 18): 25,6.5 28,6.5 28,12.4 28,25.5 24.9,25.5 24.9,21.5 25,21.4
OUTA1_2 on Bottom Layer "Top Layer-No Net" (solid, pour order 20): 65.3,6.4 64.3,7.4 64.3,37.3 71.3,37.3 74.4,34.1 74.4,30.8 71.5,30.8 71.5,33.8 68.8,33.8 67.8,32.8 67.8,13.3 70.6,10.5 70.6,6.4
OUTA1_3 on Bottom Layer "Top Layer-No Net" (solid, pour order 22): 115.1,6.4 114.1,7.4 114.1,37.3 121.1,37.3 124.2,34.1 124.2,30.8 121.3,30.8 121.3,33.8 118.6,33.8 117.6,32.8 117.6,13.3 120.4,10.5 120.4,6.4
OUTA2_2 on Bottom Layer "Top Layer-No Net" (solid, pour order 24): 83.774,6.374 84.779,7.379 84.779,37.274 77.779,37.274 74.6,34.095 74.6,30.774 77.579,30.774 77.579,33.774 80.279,33.774 81.279,32.774 81.279,13.679 78.5,10.9 78.5,6.374
OUTA2_3 on Bottom Layer "Top Layer-No Net" (solid, pour order 26): 133.505,6.45 134.51,7.455 134.51,37.35 127.51,37.35 124.331,34.171 124.331,30.8 127.26,30.8 127.31,30.85 127.31,33.85 130.01,33.85 131.01,32.85 131.01,13.755 128.231,10.976 128.231,6.45
OUTB2_2 on Bottom Layer "Top Layer-No Net" (solid, pour order 28): 74.8,6.4 77.8,6.4 77.8,12.3 77.8,25.4 74.7,25.4 74.7,21.4 74.8,21.3
OUTB2_3 on Bottom Layer "Top Layer-No Net" (solid, pour order 30): 124.384,6.469 127.384,6.469 127.384,12.369 128.384,13.369 128.384,25.469 124.284,25.469 124.284,21.469 124.384,21.369
OUTB1_2 on Bottom Layer "Top Layer-No Net" (solid, pour order 32): 74.3,6.4 71.3,6.4 71.3,12.3 71.3,25.4 74.4,25.4 74.4,21.4 74.3,21.3
OUTB1_3 on Bottom Layer "Top Layer-No Net" (solid, pour order 34): 124.1,6.5 121.1,6.5 121.1,12.4 120.1,13.4 120.1,25.5 124.2,25.5 124.2,21.5 124.1,21.4

## Keep-outs
Keep-Out Layer:
  the board outline again, w0.2

## Silkscreen, mask and mechanical layers (free items; w line width, h text height)
Top Overlay:
  text "TOP" at 7.35,97.75 h1.52
  text "BP_Motordriver_Rev1" at 7.4,95.15 h1.52
Bottom Overlay:
  text "BOTTOM" at 34.6,91.7 h1.52
  text "BP_Motordriver_Rev1" at 34.55,89.25 h1.52